# KiCad board P4.kicad_pcb (continued)
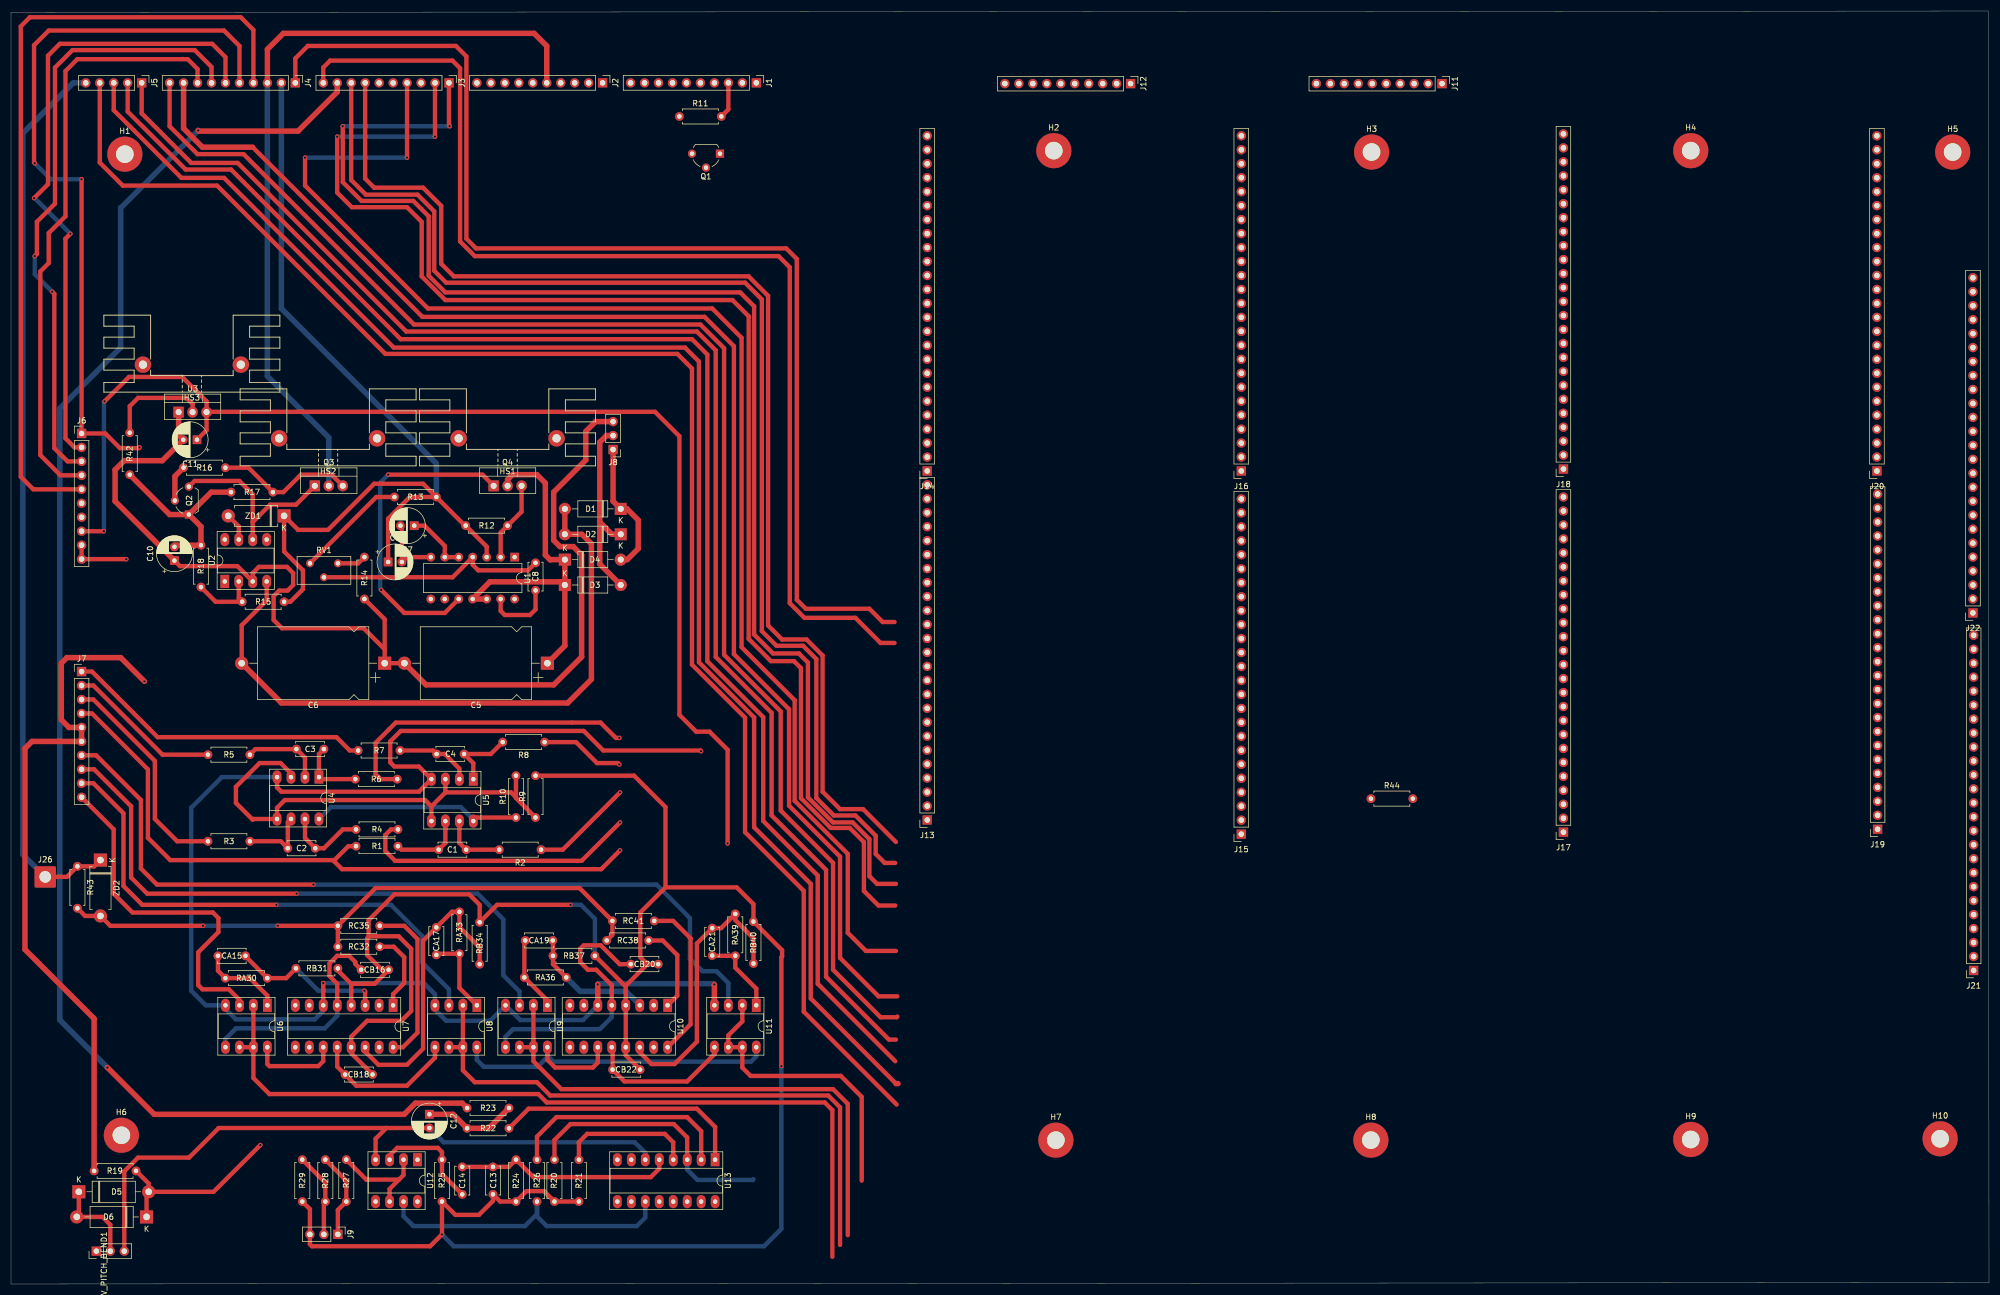
[diagram p0: board, top side]
## Nets
+15V: C9.1 J1.4 J4.2 J6.7 J11.1 J11.4 J13.21 J13.22 J15.21 J15.22 J17.21 J17.22 J19.21 J19.22 J21.21 J21.22 Q1.3 R10.1 R12.2 R13.1 R15.2 R26.2 RV_PITCH_BEND1.1 U1.3 U4.8 U5.8 U6.8 U7.11 U8.8 U9.8 U10.11 U11.8 U12.7 U13.11 ZD1.1
-5V: C11.1 J6.8 J13.14 J15.14 J17.14 J19.14 J21.14 U3.3
-15V: C10.2 C12.2 J1.1 J2.5 J4.3 J12.10 J13.25 J14.1 J15.25 J16.1 J17.25 J18.1 J19.25 J20.1 J21.25 J22.1 Q2.1 Q3.2 R17.1 R18.1 R42.2 RV_PITCH_BEND1.3 U4.4 U5.4 U6.4 U7.6 U8.4 U9.4 U10.6 U11.4 U12.4 U13.6
GND: C5.2 C6.1 C7.2 C9.2 C10.1 C11.2 C13.1 CB16.1 CB18.1 CB20.1 CB22.1 J2.1 J2.7 J6.9 J6.10 J7.5 J7.6 J8.3 J9.3 J12.3 J13.23 J13.24 J14.7 J14.9 J14.11 J15.23 J15.24 J16.7 J16.9 J16.11 J17.23 J17.24 J18.7 J18.9 J18.11 J19.23 J19.24 J20.7 J20.9 J20.11 J21.23 J21.24 J22.7 J22.9 J22.11 R9.2 R14.2 R19.1 R20.1 R21.1 R24.1 R25.1 R29.2 R44.1 RB31.2 RB34.2 RB37.2 RB40.2 U1.7 U2.3 U3.1 U7.4 U7.13 U10.4 U10.13
GNDD: J4.5 J6.1
/1_PITCH_BEND: D5.2 D6.1 J13.1 J15.1 J17.1 J19.1 J21.1 R19.2
/1_VOICE: J4.8 J6.4
/2_ADSR_TRACK_VCA: J1.2 J14.16 J16.16 J18.16 J20.16 J22.16
/2_L3: J11.2 R6.1
/2_VOICES: J4.7 J6.3
/3_ADRS_CONT_VCA: J1.3 J14.15 J16.15 J18.15 J20.15 J22.15 R11.2
/3_L4: J11.3 R8.1
/3_VOICE_1_PITCH: J13.3 U11.2 U11.6 U11.7
/3_VOICE_2_PITCH: J15.3 U9.2 U9.6 U9.7
/3_VOICE_3_PITCH: J17.3 U8.2 U8.6 U8.7
/3_VOICE_4_PITCH: J19.3 U6.2 U6.6 U6.7
/4_VOICE3_VCO1_TUNE: J11.9 J17.4
/4_VOICE4_VCO1_TUNE: J11.7 J19.4
/5_L1: J11.5 R2.1
/6_L2: J11.6 R4.1
/10_PITCH_TRACK_VCF: J1.10 J14.6 J16.6 J18.6 J20.6 J22.6
/10_VCO2_TRI: J4.10 J13.10 J15.10 J17.10 J19.10 J21.10
/10_VOICE3_VCO2: J11.10 J17.12
/11_ADSR4_ON_OFF: J12.1 J20.12
/11_VCO2_SAW: J4.9 J13.11 J15.11 J17.11 J19.11 J21.11
/12_ADSR3_ON_OFF: J12.2 J18.12
/12_VCA_R: J2.2 J14.21 J16.21 J18.21 J20.21 J22.21
/12_VOICE1_VCO2_TUNE: J12.8 J13.12
/12_VOICE2_VCO2_TUNE: J12.6 J15.12
/12_VOICE4_VCO2_TUNE: J11.8 J19.12
/13_TRANSPOSE: J3.4 J13.13 J15.13 J17.13 J19.13 J21.13
/13_VCA_S: J2.3 J14.20 J16.20 J18.20 J20.20 J22.20
/14_ADSR2_ON_OFF: J12.4 J16.12
/14_VCA_D: J2.4 J14.19 J16.19 J18.19 J20.19 J22.19
/15_ADSR1_ON_OFF: J12.5 J14.12
/15_SYNC: J3.2 J13.15 J15.15 J17.15 J19.15 J21.15
/16_VCA_A: J2.6 J14.18 J16.18 J18.18 J20.18 J22.18
/16_VIBRATO_DEPTH: J3.1 J13.16 J15.16 J17.16 J19.16 J21.16
/17_VCO1_MOD: J3.8 J13.17 J15.17 J17.17 J19.17 J21.17
/17_VOICE2_VCO1: J12.7 J15.4
/18_NOISE_VOLUME: J2.8 J14.8 J16.8 J18.8 J20.8 J22.8
/18_VCO2_MOD: J3.7 J13.18 J15.18 J17.18 J19.18 J21.18
/19_DEPTH: J2.9 J14.5 J16.5 J18.5 J20.5 J22.5
/19_VCO1_VOL: J3.6 J13.19 J15.19 J17.19 J19.19 J21.19
/19_VOICE1_VCO1: J12.9 J13.4
/20_RESONANCE_CONTROL: J2.10 J14.4 J16.4 J18.4 J20.4 J22.4
/20_VCO2_VOL: J3.5 J13.20 J15.20 J17.20 J19.20 J21.20
/27_VCF_SWEEP_ADSR: J3.10 J14.2 J16.2 J18.2 J20.2 J22.2
/28_VCF_FREQUENCY: J4.1 J14.3 J16.3 J18.3 J20.3 J22.3
/29_MASTER_VOLUME: J3.9 R23.1
/34_NEW_NOTE: J4.4 J6.5
/35_VOICE1_OUT: J14.10 J16.10 J18.10 J20.10 J22.10 R20.2 U13.3
/36_VOICE4: J4.6 J6.2
/38_ADSR_TRACK_CVF: J1.9 J14.13 J16.13 J18.13 J20.13 J22.13
/39_ADSR_~{CONT}: J14.14 J16.14 J18.14 J20.14 J22.14 Q1.1
/41_VCO2_SQR: J5.1 J13.9 J15.9 J17.9 J19.9 J21.9
/42_G1: J7.4 J14.17 R1.2
/42_G2: J7.3 J16.17 R3.2
/42_G3: J7.2 J18.17 R5.2
/42_G4: J7.1 J20.17 R7.2
/42_VCO1_SAW: J5.2 J13.8 J15.8 J17.8 J19.8 J21.8
/43_VCO1_TRI: J5.3 J13.7 J15.7 J17.7 J19.7 J21.7
/44_VCO1_SQR: J5.4 J13.6 J15.6 J17.6 J19.6 J21.6
/45_PORTAMENTO: J5.5 J26.1 R43.1 ZD2.1
/47_VCF_ADSR_A: J1.5 J14.22 J16.22 J18.22 J20.22 J22.22
/48_VCF_ADSR_D: J1.6 J14.23 J16.23 J18.23 J20.23 J22.23
/49_VCF_ADSR_S: J1.7 J14.24 J16.24 J18.24 J20.24 J22.24
/50_VCF_ADSR_R: J1.8 J14.25 J16.25 J18.25 J20.25 J22.25
/+: C5.1 D3.1 D4.1 Q4.2 U1.11 U1.12
/-: C6.2 D1.2 D2.2 U2.4
/P1: J7.7 U11.3
/P2: J7.8 U9.3
/P3: J7.9 U8.3
/P4: J7.10 U6.3
/U1_PIN2: Q4.3 R12.1 U1.2
/VOICE1_PORTAMENTO: R43.2 RC32.1 RC35.1 RC38.1 RC41.1 ZD2.2
Net-(C1-Pad1): C1.1 R2.2 U5.7
Net-(C1-Pad2): C1.2 R1.1 U5.6
Net-(C2-Pad1): C2.1 R4.2 U4.7
Net-(C2-Pad2): C2.2 R3.1 U4.6
Net-(C3-Pad1): C3.1 R6.2 U4.1
Net-(C3-Pad2): C3.2 R5.1 U4.2
Net-(C4-Pad1): C4.1 R8.2 U5.1
Net-(C4-Pad2): C4.2 R7.1 U5.2
Net-(C7-Pad1): C7.1 U1.5 U1.6
Net-(C8-Pad1): C8.1 RV1.2 U1.4
Net-(C8-Pad2): C8.2 U1.13
Net-(C12-Pad1): C12.1 R22.1 R23.2
Net-(C13-Pad2): C13.2 C14.2 R24.2 U13.5
Net-(C14-Pad1): C14.1 R25.2 U12.3
Net-(CA15-Pad1): CA15.1 RA30.1 RB31.1 U7.3
Net-(CA15-Pad2): CA15.2 RA30.2 U6.1
Net-(CA17-Pad1): CA17.1 RA33.1 RB34.1 U7.14
Net-(CA17-Pad2): CA17.2 RA33.2 U8.1
Net-(CA19-Pad1): CA19.1 RA36.1 RB37.1 U10.3
Net-(CA19-Pad2): CA19.2 RA36.2 U9.1
Net-(CA21-Pad1): CA21.1 RA39.1 RB40.1 U10.14
Net-(CA21-Pad2): CA21.2 RA39.2 U11.1
Net-(CB16-Pad2): CB16.2 U6.5 U7.5
Net-(CB18-Pad2): CB18.2 U7.12 U8.5
Net-(CB20-Pad2): CB20.2 U9.5 U10.5
Net-(CB22-Pad2): CB22.2 U10.12 U11.5
Net-(D1-Pad1): D1.1 D4.2 J8.1
Net-(D2-Pad1): D2.1 D3.2 J8.2
Net-(D5-Pad1): D5.1 D6.2 RV_PITCH_BEND1.2
Net-(J9-Pad1): J9.1 R27.2 R28.1
Net-(J9-Pad2): J9.2 R28.2 R29.1
Net-(Q1-Pad2): Q1.2 R11.1
Net-(Q2-Pad2): Q2.2 R16.2
Net-(Q2-Pad3): Q2.3 Q3.1 U2.6
Net-(Q3-Pad3): Q3.3 R16.1 R17.2
Net-(Q4-Pad1): Q4.1 U1.10
Net-(R10-Pad2): R9.1 R10.2 U4.3 U4.5 U5.3 U5.5
Net-(R13-Pad2): R13.2 RV1.3
Net-(R14-Pad1): R14.1 RV1.1
Net-(R15-Pad1): R15.1 R18.2 U2.2
Net-(R21-Pad2): R21.2 U13.4
Net-(R22-Pad2): R22.2 U13.1
Net-(R26-Pad1): R26.1 U13.2
Net-(R27-Pad1): R27.1 U12.2 U12.6
Net-(R42-Pad1): R42.1 U3.2
Net-(RC32-Pad2): RC32.2 U7.1
Net-(RC35-Pad2): RC35.2 U7.16
Net-(RC38-Pad2): RC38.2 U10.1
Net-(RC41-Pad2): RC41.2 U10.16
Net-(U2-Pad7): U2.7 ZD1.2

Pads without a net: H1 1; H2 1; H3 1; H4 1; H5 1; H6 1; H7 1; H8 1; H9 1; H10 1; HS1 1; HS2 1; HS3 1; J3 3; J6 6; J13 2 5; J15 2 5; J17 2 5; J19 2 5; J21 2 3 4 5 12; J22 12 17; R44 2; U1 1 8 9 14; U2 1 5 8; U7 2 7 8 9 10 15; U10 2 7 8 9 10 15; U12 1 5 8; U13 7 8 9 10 12 13 14 15 16

## Via types
v1: diameter 0.8, hole 0.4, Top to Bottom, 41 vias

## Routing (per net, layer and track width the routed paths; a pad name or vN(x,y) marks a point on that pad's centre or on a via; arc(x,y) is an arc through that point)
+15V: length 360.5
  Top w0.8: U10.11 106.7,40.28 105.79,39.37 98.93,39.37 97.54,40.77 U9.8 ; R15.2 50.8,124.08 53.09,126.37 53.09,129.79 49.66,133.22 ZD1.1 ; U6.8 46.61,43.05 46.61,40 46.99,39.62 55.88,39.62 56.78,40.52 U7.11 ; ZD1.1 52.2,137.16 57.66,137.16 66.04,145.54 74.93,145.54 R13.1 ; ZD1.1 50.16,139.19 ; R13.1 82.55,137.92 R12.2 86.49,134.11 86.49,132.2 ; R13.1 72.52,143.13 68.58,139.19 C9.1 ; U5.8 84.71,84.84 R10.1
  Bottom w0.8: U11.8 135.52,41.41 134.55,40.44 98.63,40.44 97.54,41.53 U9.8 97.54,41.28 95.76,39.5 85.98,39.5 84.71,40.77 U8.8 ; U13.11 115.34,12.09 113.79,10.54 97.41,10.54 95.63,12.32 95.64,12.33 R26.2 95.64,12.71 93.47,10.54 73.15,10.54 71.37,12.32 U12.7 ; U5.8 84.06,84.47 81.79,86.74 58.17,86.74 U4.8
  Bottom w1: R13.1 77.34,149.23 49.16,177.41 J4.2
-5V: length 224.6
  Top w0.8: U3.3 35.56,155.28 C11.1 ; U3.3 35.62,158.62 117.09,158.62 121.54,154.18 121.54,103.5 124.59,100.46 127,100.46 130.3,97.16 v1(130.3,80.14) ; U3.3 35.56,160.53 31.11,164.97 21.46,164.97 v1(17.02,160.53) ; J6.8 12.84,136.91 v1(16.89,136.91)
  Bottom w0.8: v1(16.89,136.91) 16.89,160.4 v1(17.02,160.53)
-15V: length 573.2
  Top w0.8: 68.25,28.37 C12.2 ; 68.25,28.37 37.72,28.37 ; 68.25,28.37 66.29,26.42 U12.4 ; v1(56.77,54.74) 56.78,54.73 U7.6 ; RV_PITCH_BEND1.3 20.6,20.49 23.1,22.99 32.38,22.99 37.72,28.32 ; v1(125.48,96.9) 125.35,97.03 107.7,97.03 104.14,100.58 70.87,100.58 68.96,98.68 68.96,94.87 69.72,94.11 74.17,94.11 76.44,91.83 U5.4 74.17,89.53 49.15,89.53 48.38,90.31 U4.4
  Top w1: U11.4 127.89,50.69 v1(127.89,54.48) ; Q2.1 34.54,137.75 R18.1 30.01,134.37 C10.2 ; Q2.1 36.42,144.02 R17.1 ; Q2.1 28.84,139.94 R42.2 ; U10.6 106.7,54.46 v1(106.68,54.48) ; J2.5 97.42,225.16 95.12,227.46 49.53,227.46 46.62,224.55 J4.3
  Bottom w0.8: U13.6 115.34,23.86 113.41,25.78 78.67,25.78 C12.2 ; U4.4 38.34,92.19 32.77,86.61 32.77,53.34 35.42,50.68 U6.4 39,50.03 40.89,48.13 55.24,48.13 56.78,49.67 U7.6 ; U10.6 104.02,48.01 92.59,48.01 U9.4 87.11,47.88 79.12,47.88 77.09,49.91 U8.4 77.09,52.7 75.06,54.74 v1(56.77,54.74)
  Bottom w1: J4.3 46.62,165.09 57.78,153.92 Q3.2 ; v1(127.89,54.48) 127.75,54.62 106.81,54.62 v1(106.68,54.48)
GND: length 782.2
  Top w0.8: 111.76,54.1 111.76,54.23 115.7,58.17 ; 65.15,63.25 65.02,63.37 65.02,66.17 69.72,70.87 83.31,70.87 85.22,68.96 RB34.2 88.39,68.96 v1(101.73,68.96) ; 65.15,63.25 70.48,63.25 72.77,60.96 72.77,49.66 70.99,47.88 64.77,47.88 61.86,44.97 U7.13 61.86,41.99 CB18.1 ; 65.15,63.25 64.77,62.87 64.77,59.82 67.44,57.15 CB16.1 ; 61.86,54.6 59.18,57.28 ; 61.86,54.6 U7.4 61.86,51.08 ; 61.86,54.6 65.52,54.6 65.53,54.61 66.13,54.61 CB16.1 ; 115.7,58.17 114.43,59.44 114.43,67.56 119,72.14 ; 115.7,58.17 CB20.1 ; CB22.1 111.78,41.6 U10.13 U10.4 111.78,54.25 ; 67.94,115.44 64.13,119.25 49.28,119.25 47.75,120.78 47.75,125.09 48.77,126.11 50.29,126.11 51.31,127.13 51.31,129.29 50.16,130.43 45.08,130.43 43.95,129.3 U2.3 41.17,130.56 30.73,130.56 C10.1 ; 67.94,115.44 67.94,120.9 R14.2 ; 67.94,115.44 C6.1 C5.2 ; RB40.2 135.13,65.91 135.25,66.04 ; RB40.2 135,69.09 131.95,72.14 119,72.14 ; RB40.2 140.21,60.71 140.21,59.56 140.08,59.44 v1(140.08,39.62) ; 76.33,132.2 71.96,132.2 C9.2 71.08,137.66 C7.2 ; CB16.1 67.93,57.15 ; 119,72.14 119,86.74 113.28,92.46 R9.2 ; RB37.2 111.51,54.36 ; R21.1 R20.1 96.92,16.89 93.73,16.89 R24.1 88.95,15 C13.1 87.64,15.12 85.09,12.57 80.79,12.57 R25.1 78.37,9.03 76.2,6.86 54.74,6.86 54.35,7.24 J9.3 54.35,13.61 R29.2 ; v1(20.95,131.83) 20.95,131.83 J6.10 J6.9
  Top w1: R19.1 15.11,48.26 2.54,60.83 2.54,97.41 3.81,98.68 12.83,98.68 J7.6 J7.5 10.54,101.22 9.14,102.62 9.14,112.9 10.16,113.92 19.94,113.92 v1(24.26,109.6) ; C10.1 18.92,142.37 18.92,148.08 20.57,149.73 27.51,149.73 C11.2 30.48,154.38 U3.1 ; C5.2 75.47,108.97 98.68,108.97 103.76,114.05 103.76,132.59 102.23,134.11 99.82,134.11 98.68,135.25 98.68,144.02 104.52,149.86 104.52,155.07 106.3,156.84 J8.3
  Bottom w0.8: v1(101.73,68.96) 103.63,68.96 106.17,66.42 RB37.2 ; v1(78.36,9.02) 80.52,6.86 136.91,6.86 140.08,10.03 v1(140.08,39.62)
GNDD: length 135.5
  Top w0.8: v1(4.32,203.84) 4.19,203.96 4.19,225.3 6.86,227.97 38.73,227.97 41.54,225.16 J4.5 ; v1(12.83,200.91) 12.84,200.9 J6.1 17.14,154.69 19.81,152.02 23.24,152.02 v1(23.37,152.15)
  Bottom w0.8: v1(4.32,203.84) 7.24,200.91 v1(12.83,200.91)
/1_PITCH_BEND: length 33.3
  Top w0.8: R19.2 25.03,18.28 D5.2 ; D5.2 24.65,16.39 D6.1 ; D5.2 36.84,16.77 v1(45.34,25.27)
/1_VOICE: length 108.9
  Top w0.8: J4.8 33.92,220.97 32.13,222.76 12.06,222.76 9.91,220.6 9.91,194.18 6.86,191.13 6.86,185.67 5.33,184.15 5.33,150.75 9.01,147.07 J6.4
/2_L3: length 57
  Top w0.8: v1(110.62,99.31) 109.98,99.31 107.19,102.11 69.98,102.11 66.29,98.43 66.29,92.71 67.18,91.82 R6.1
/2_VOICES: length 112.1
  Top w0.8: v1(4.32,186.94) 4.7,187.32 4.7,193.17 8,196.47 8,221.23 11.18,224.41 33.4,224.41 36.46,221.35 J4.7 ; v1(7.49,180.47) 7.87,180.09 7.87,152.02 10.28,149.61 J6.3
  Bottom w0.8: v1(7.49,180.47) 4.32,183.64 v1(4.32,186.94)
/3_ADRS_CONT_VCA: length 6.6
  Top w0.8: R11.2 130.44,213.62 J1.3
/3_L4: length 15.3
  Top w0.8: v1(110.62,94.49) 110.36,94.74 106.55,94.74 102.74,98.55 R8.1
/3_VOICE_1_PITCH: length 54.1
  Top w0.8: 154.69,18.8 154.69,34.04 150.88,37.85 134.49,37.85 132.98,39.36 U11.7 U11.6 130.44,45.22 132.98,47.76 U11.2
/3_VOICE_2_PITCH: length 96.9
  Top w0.8: U9.7 95,40.51 100.08,35.43 149.48,35.43 152.15,32.77 152.15,8.89 ; U9.7 U9.2 ; U9.7 U9.6
/3_VOICE_3_PITCH: length 110.7
  Top w0.8: 150.75,7.11 150.75,32.13 148.59,34.29 98.04,34.29 95.63,36.7 84.33,36.7 82.17,38.86 U8.7 ; U8.7 U8.6 ; U8.7 U8.2
/3_VOICE_4_PITCH: length 150.1
  Top w0.8: 149.35,4.95 149.35,31.62 147.95,33.02 97.41,33.02 95.88,34.54 46.99,34.54 44.08,37.45 U6.7 ; U6.6 U6.7 ; U6.7 U6.2
/5_L1: length 18.7
  Top w0.8: v1(110.74,89.41) 100.33,78.99 R2.1
/6_L2: length 51.9
  Top w0.8: v1(110.74,83.95) 103.76,76.96 69.85,76.96 68.07,78.74 68.07,81.66 69.09,82.68 R4.1
/10_VCO2_TRI: length 262
  Top w0.8: J4.10 28.84,210.56 33.91,205.49 42.29,205.49 73.28,174.5 125.35,174.5 129.67,170.18 129.67,114.43 139.95,104.14 139.95,86.11 149.48,76.58 149.48,57.15 158.12,48.51 161.04,48.51 161.16,48.64
/11_VCO2_SAW: length 257.3
  Top w0.8: 161.16,52.32 157.73,52.32 150.75,59.31 150.75,77.72 141.48,87 141.48,104.52 131.44,114.55 131.44,170.56 126.11,175.9 74.8,175.9 43.94,206.76
  Top w1: 43.94,206.76 34.8,206.76 31.38,210.17 J4.9
/13_TRANSPOSE: length 254.4
  Top w0.8: v1(53.47,204.85) 53.47,199.77 75.82,177.42 127.51,177.42 132.84,172.09 132.84,115.82 142.49,106.17 142.49,87.88 152.15,78.23 152.15,63.88 155.45,60.58 160.91,60.58 ; J3.4 72.02,204.86 v1(72.01,204.85)
  Bottom w0.8: v1(72.01,204.85) v1(53.47,204.85)
/15_SYNC: length 252.2
  Top w0.8: J3.2 77.1,208.67 v1(77.09,208.66) ; v1(59.31,208.66) 59.31,198.5 61.98,195.83 72.01,195.83 74.68,193.17 74.68,183.24 78.98,178.94 131.19,178.94 134.13,176.01 134.13,117.33 138.18,113.28 142.37,113.28 143.64,112.01 143.64,88.36 149.05,82.95 152.51,82.95 155.08,80.38 155.08,71.49 157.73,68.83 160.78,68.83
  Bottom w0.8: v1(77.09,208.66) v1(59.31,208.66)
/16_VIBRATO_DEPTH: length 250.6
  Top w0.8: J3.1 79.64,210.68 v1(79.76,210.57) ; 160.91,72.77 157.48,72.77 156.08,74.17 156.08,80.9 153.03,83.95 149.46,83.95 144.91,88.5 144.91,113.03 143.26,114.68 138.56,114.68 135.13,118.11 135.13,177.8 132.59,180.34 78.99,180.34 75.95,183.39 75.95,194.18 73.15,196.98 63.75,196.98 60.33,200.41 v1(60.33,210.57)
  Bottom w0.8: v1(79.76,210.57) v1(60.33,210.57)
/17_VCO1_MOD: length 226.4
  Top w0.8: 160.78,76.58 158.88,76.58 157.23,78.23 157.23,81.53 153.54,85.22 149.61,85.22 146.43,88.39 146.43,113.66 144.02,116.08 139.19,116.08 136.53,118.75 136.53,179.07 133.48,182.12 79.12,182.12 76.96,184.28 76.96,195.07 73.91,198.12 64.52,198.12 61.86,200.78 J3.8
/18_VCO2_MOD: length 219.7
  Top w0.8: J3.7 64.4,201.03 66.04,199.39 74.93,199.39 78.23,196.09 78.23,185.55 80.52,183.26 134.11,183.26 137.67,179.7 137.67,119.76 140.21,117.22 144.65,117.22 147.57,114.3 147.57,89.53 150.75,86.36 154.94,86.36 160.91,80.39
/27_VCF_SWEEP_ADSR: length 205.3
  Top w0.8: J3.10 56.78,221.24 58.04,222.5 80.26,222.5 81.66,221.11 81.66,189.61 84.33,186.94 139.57,186.94 141.6,184.91 141.6,123.83 144.27,121.16 153.54,121.16 158.12,116.59 160.66,116.59
/28_VCF_FREQUENCY: length 213.5
  Top w0.8: 160.66,120.4 158.5,120.4 156.08,122.81 144.53,122.81 142.88,124.46 142.88,186.44 140.97,188.34 84.58,188.34 82.8,190.12 82.8,223.27 80.9,225.17 53.97,225.17 51.7,222.9 J4.1
/29_MASTER_VOLUME: length 284.5
  Top w1: v1(17.53,39.37) 26.03,30.86 71.5,30.86 73.53,32.89 82.04,32.89 R23.1 ; v1(34.04,209.8) 34.16,209.68 52.2,209.68 59.32,216.8 J3.9
  Bottom w1: v1(17.53,39.37) 8.87,48.02 8.87,159.24 19.94,170.31 19.94,195.71 v1(34.04,209.8)
/34_NEW_NOTE: length 147.5
  Top w0.8: J6.5 4.06,144.53 1.78,146.81 1.78,228.73 3.43,230.38 41.78,230.38 44.08,228.08 J4.4
/35_VOICE1_OUT: length 48.6
  Top w0.8: R20.2 98.82,26.17 101.73,29.08 120.52,29.08 122.96,26.65 U13.3
  Bottom w0.8: U13.3 122.96,20.81 124.84,18.92 134.87,18.92 135,19.05
/36_VOICE4: length 116.3
  Top w0.8: J4.6 39,223.13 36.58,225.55 8.89,225.55 6.73,223.39 6.73,200.03 v1(4.19,197.49) ; v1(10.79,191.01) 9.91,190.12 9.91,153.8 11.55,152.15 J6.2
  Bottom w0.8: v1(4.19,197.49) 4.32,197.49 v1(10.79,191.01)
/41_VCO2_SQR: length 267.5
  Top w0.8: J5.1 23.76,212.9 32.77,203.89 41.22,203.89 71.88,173.23 124.71,173.23 128.14,169.8 128.14,114.05 138.3,103.89 138.3,85.22 148.21,75.31 148.21,55.88 159.64,44.45 160.91,44.45
/42_G1: length 123.5
  Top w0.8: v1(110.74,78.87) 107.31,75.44 60.2,75.44 58.8,76.84 58.8,77.09 ; 58.8,77.09 28.96,77.09 24.89,81.15 24.89,93.6 14.73,103.76 J7.4 ; 58.8,77.09 61.34,79.63 62.74,79.63
/42_G2: length 39.8
  Top w0.8: R3.2 30.23,80.52 26.16,84.58 26.16,95.12 14.98,106.3 J7.3
/42_G3: length 28.2
  Top w0.8: R5.2 27.56,96.27 14.98,108.84 J7.2
/42_G4: length 56.2
  Top w0.8: J7.1 14.73,111.38 26.67,99.44 59.18,99.44 61.59,97.03 R7.2
/42_VCO1_SAW: length 271.6
  Top w0.8: 160.78,40.51 146.69,54.61 146.69,74.3 136.78,84.2 136.78,103.09 126.62,113.25 126.62,169.04 123.82,171.83 70.87,171.83 40,202.69 31.75,202.69 21.22,213.22 J5.2
/43_VCO1_TRI: length 276.9
  Top w0.8: 160.91,36.45 145.41,51.94 145.41,72.77 135.13,83.06 135.13,103.04 125.09,113.08 125.09,167.77 122.56,170.31 69.6,170.31 38.73,201.17 30.99,201.17 18.68,213.48 J5.3
  Top w1: 160.91,36.45 161.29,36.45
/44_VCO1_SQR: length 287
  Top w0.8: J5.4 16.14,203.95 20.32,199.77 37.47,199.77 68.07,169.16 121.16,169.16 123.82,166.5 123.82,112.65 133.48,103 133.48,82.17 144.15,71.5 144.15,49.53 161.04,32.64
/45_PORTAMENTO: length 163.5
  Top w0.8: J26.1 10.16,74.04 R43.1 15.12,75.96 ZD2.1
  Bottom w1: J26.1 2.16,78.1 2.16,209.3 11.31,218.45 J5.5
/+: length 67
  Top w1: C5.1 100.71,116.08 D3.1 ; D3.1 100.14,127.7 87.08,127.7 U1.11 86.49,124.58 ; D3.1 D4.1 98.09,131.74 98.04,131.7 97.16,132.59 97.16,145.67 95.63,147.19 91.19,147.19 90.3,146.3 Q4.2
/-: length 119.9
  Top w0.8: C6.2 41.94,119.8 46.49,124.34 46.49,127.77
  Top w1: D1.2 D2.2 103.8,136.36 105.54,134.62 105.54,109.98 101.22,105.66 49.18,105.66 C6.2
/P1: length 150.4
  Top w0.8: J7.7 15.49,96.14 23.62,88.01 23.62,75.56 26.54,72.64 v1(54.99,72.64)
  Bottom w0.8: v1(54.99,72.64) 117.35,72.64 123.44,66.55 123.44,59.18 125.73,56.9 128.27,56.9 130.44,54.73 U11.3
/P2: length 112.4
  Top w0.8: J7.8 15.11,93.6 21.84,86.87 21.84,73.91 24.76,70.99 v1(51.94,70.99)
  Bottom w0.8: v1(51.94,70.99) 84.84,70.99 89.53,66.29 89.53,56.13 92.46,53.21 U9.3
/P3: length 95.8
  Top w0.8: J7.9 14.98,91.06 20.45,85.6 20.45,72.39 23.88,68.96 v1(48.26,68.96)
  Bottom w0.8: v1(48.26,68.96) 69.09,68.96 74.8,63.25 74.8,58.42 79.63,53.59 U8.3
/P4: length 64.2
  Top w0.8: J7.10 18.67,82.69 18.67,70.99 22.1,67.56 36.7,67.56 37.72,66.55 37.72,64.01 34.04,60.33 34.04,54.36 34.8,53.59 39.62,53.59 41.54,51.68 U6.3
/U1_PIN2: length 14.5
  Top w0.8: U1.2 89.03,136.66 R12.1 92.84,140.46 Q4.3
/VOICE1_PORTAMENTO: length 111.7
  Top w0.8: RC35.1 RC32.1 ; RC35.1 66.29,72.01 103.38,72.01 RC41.1 109.35,63.5 RC38.1 ; RC35.1 v1(48.51,65.15) ; R43.2 13.47,66.94 ZD2.2 18.05,65.15 v1(34.92,65.15)
  Bottom w0.8: v1(48.51,65.15) v1(34.92,65.15)
Net-(C1-Pad1): length 11.7
  Top w0.8: U5.7 81.52,80.23 C1.1 R2.2
Net-(C1-Pad2): length 13.4
  Top w0.8: R1.1 70.99,78.99 C1.2 78.98,80.21 U5.6
Net-(C2-Pad1): length 14.9
  Top w0.8: 62.74,82.68 60.33,82.68 56.9,79.25 C2.1 53.46,81.12 U4.7
Net-(C2-Pad2): length 13
  Top w0.8: R3.1 49.06,80.52 C2.2 50.33,83.99 U4.6
Net-(C3-Pad1): length 12.2
  Top w0.8: C3.1 56,96.38 U4.1 56.37,91.82 R6.2
Net-(C3-Pad2): length 14.6
  Top w0.8: U4.2 53.46,95.72 C3.2 44.45,97.28 R5.1
Net-(C4-Pad1): length 13.2
  Top w0.8: U5.1 84.06,94.71 C4.1 87.25,96.39 R8.2
Net-(C4-Pad2): length 14.1
  Top w0.8: R7.1 76.75,97.03 C4.2 78.87,96.39 81.52,93.74 U5.2
Net-(C7-Pad1): length 11.7
  Top w0.8: C7.1 75.18,137.92 78.87,134.23 U1.6 81.41,132.2
Net-(C8-Pad1): length 42.4
  Top w0.8: RV1.2 80.28,128.53 U1.4 83.95,130.81 84.96,129.79 94.02,129.79 C8.1
Net-(C8-Pad2): length 12.7
  Top w0.8: U1.13 89.03,122.42 89.79,121.67 94.36,121.67 95.38,122.68 C8.2
Net-(C12-Pad1): length 17
  Top w1: C12.1 80.38,30.87 R22.1 86.87,28.32 R23.2
Net-(C13-Pad2): length 40
  Top w0.8: U13.5 117.88,20.98 116.33,19.43 95.02,19.43 R24.2 90.52,21.31 C13.2 C14.2
Net-(C14-Pad1): length 20.4
  Top w0.8: U12.3 68.83,23.37 70.23,24.77 77.6,24.77 78.37,23.99 R25.2 78.37,19.99 C14.1
Net-(CA15-Pad1): length 28.5
  Top w0.8: CA15.1 42.63,59.6 RA30.1 50.04,55.63 RB31.1 ; U7.3 64.4,53.2 v1(64.26,53.34)
  Bottom w0.8: RB31.1 55.88,53.34 v1(64.26,53.34)
Net-(CA15-Pad2): length 15.6
  Top w0.8: 46.62,50.92 U6.1 46.61,50.69 46.61,52.45 43.43,55.63 RA30.2 37.63,56.98 CA15.2
Net-(CA17-Pad1): length 53
  Top w0.8: U7.14 64.4,42.28 66.8,39.88 72.01,39.88 74.93,42.8 74.93,62.44 CA17.1 80.18,67.69 RA33.1 81.53,64.9 85.22,61.21 RB34.1
Net-(CA17-Pad2): length 15
  Top w0.8: U8.1 81.53,53.86 RA33.2 77.56,60.07 CA17.2
Net-(CA19-Pad1): length 23.2
  Top w0.8: CA19.1 98.55,62.44 RB37.1 98.55,58.17 RA36.1
  Bottom w1: U10.3 114.32,50.74 111.84,53.21 103.5,53.21 RA36.1
Net-(CA19-Pad2): length 13.6
  Top w0.8: U9.1 97.54,51.56 RA36.2 93.34,62.32 CA19.2
Net-(CA21-Pad1): length 51.3
  Top w0.8: RB40.1 135,62.88 131.7,66.18 RA39.1 129.12,64.73 CA21.1 124.71,61.94 124.71,44.07 120.65,40 116.46,40 114.32,42.14 U10.14
Net-(CA21-Pad2): length 14.8
  Top w0.8: CA21.2 127.55,59.69 RA39.2 131.7,57.53 135.52,53.71 U11.1
Net-(CB16-Pad2): length 41.8
  Top w0.8: CB16.2 62.61,58.21 62.61,58.55 61.47,59.69 59.31,59.69 57.91,58.29 57.91,56.01 59.32,54.6 U7.5 ; 38.63,43.43 U6.5
  Bottom w0.8: U6.5 39,44.59 40.89,46.48 57.02,46.48 59.32,48.78 U7.5
Net-(CB18-Pad2): length 26.8
  Top w0.8: U8.5 77.09,41.15 72.01,36.07 62.78,36.07 CB18.2 59.32,39.53 U7.12
Net-(CB20-Pad2): length 49.3
  Top w0.8: CB20.2 110.67,58.17 107.24,61.59 104.14,61.59 103.5,60.96 103.5,58.55 104.9,57.15 106.43,57.15 109.24,54.34 U10.5
  Bottom w0.8: U9.5 89.92,44.96 91.31,46.35 107.06,46.35 109.24,48.53 U10.5
Net-(CB22-Pad2): length 26.9
  Top w0.8: U10.12 109.39,42.92 CB22.2 111.55,36.83 122.94,36.83 127.9,41.79 U11.5
Net-(D1-Pad1): length 24.6
  Top w1: D4.2 112.06,131.74 114.05,133.73 114.05,138.94 112.01,140.97 D1.1 109.47,142.37 J8.1
Net-(D2-Pad1): length 35.2
  Top w1: D3.2 107.06,130.94 107.06,138.56 ; 107.06,138.56 109.26,136.36 D2.1 ; 107.06,138.56 107.06,153.09 108.27,154.31 J8.2
Net-(D5-Pad1): length 16.2
  Top w0.8: RV_PITCH_BEND1.2 18.06,10.77 16.63,12.2 D6.2 12.33,12.58 D5.1
Net-(J9-Pad1): length 15.8
  Top w0.8: R28.1 60.97,18.81 R27.2 59.43,13.46 J9.1
Net-(J9-Pad2): length 15.4
  Top w0.8: J9.2 56.89,14.73 R28.2 57.16,18.43 R29.1
Net-(Q2-Pad2): length 6.6
  Top w1: R16.2 29.81,146.9 Q2.2
Net-(Q2-Pad3): length 35.3
  Top w0.8: Q3.1 51.82,141.73 47.12,141.73 43.95,138.57 U2.6 ; 43.94,138.56 43.94,143.64 41.53,146.05 33.37,146.05 Q2.3
Net-(Q3-Pad3): length 25.3
  Top w0.8: R16.1 43.18,148.46 R17.2 49.53,144.02 52.7,147.19 58.29,147.19 Q3.3
Net-(Q4-Pad1): length 58.5
  Top w0.8: v1(68.58,147.19) 85.72,147.19 Q4.1 ; v1(67.31,126.24) 71.5,122.05 78.88,122.05 81.41,124.58
  Bottom w0.8: v1(68.58,147.19) 67.13,145.74 67.13,126.42 v1(67.31,126.24)
Net-(R10-Pad2): length 87.1
  Top w0.8: 78.99,89.41 90.93,89.41 91.82,88.52 ; 78.99,89.41 78.98,89.42 U5.3 ; 78.99,89.41 76.44,86.86 ; U5.5 76.44,86.86 ; 76.44,86.86 75.29,88.01 49.78,88.01 48.38,86.6 U4.5 44.06,84.57 43.94,84.46 40.89,87.5 40.89,90.42 45.21,94.74 49.02,94.74 50.92,92.85 U4.3 ; R10.2 91.82,88.52 ; 91.82,88.52 91.82,88.39 R9.1
Net-(R13-Pad2): length 20.4
  Top w0.8: RV1.3 66.43,143.13 R13.2
Net-(R14-Pad1): length 5.3
  Top w0.8: R14.1 63.12,131.07 RV1.1
Net-(R15-Pad1): length 12.6
  Top w0.8: R18.2 37.21,124.08 R15.1 41.41,124.7 41.41,127.77 41.4,127.76
Net-(R21-Pad2): length 24.8
  Top w0.8: R21.2 103.26,25.79 104.78,27.31 118.87,27.31 120.42,25.76 U13.4
Net-(R22-Pad2): length 46.3
  Top w0.8: U13.1 128.04,28.55 124.7,31.89 94.12,31.89 R22.2
Net-(R26-Pad1): length 41.8
  Top w0.8: R26.1 95.64,26.81 99.19,30.35 122.94,30.35 125.5,27.79 U13.2
Net-(R27-Pad1): length 19.8
  Top w0.8: 70.55,18.99 71.37,19.81 U12.2 ; 70.55,18.99 68.83,17.27 U12.6 ; 70.55,18.99 64.6,18.99 R27.1
Net-(R42-Pad1): length 18.8
  Top w0.8: U3.2 33.02,160.02 31.88,161.16 23.11,161.16 21.59,159.64 R42.1
Net-(RC32-Pad2): length 14.8
  Top w0.8: U7.1 69.48,52.72 71.5,54.74 71.5,59.44 69.6,61.34 RC32.2
Net-(RC35-Pad2): length 30.4
  Top w0.8: RC35.2 71.5,65.15 73.91,62.74 73.91,45.72 71.26,43.06 U7.16
Net-(RC38-Pad2): length 16.2
  Top w0.8: RC38.2 118.49,62.48 121.16,59.82 121.16,52.44 U10.1
Net-(RC41-Pad2): length 29.4
  Top w0.8: RC41.2 120.4,66.04 123.57,62.87 123.57,47.23 U10.16
Net-(U2-Pad7): length 5.1
  Top w0.8: 41.41,135.39 41.41,137.78 ZD1.2
